# Allegro board pc051b_toplevel_177.brd (continued)
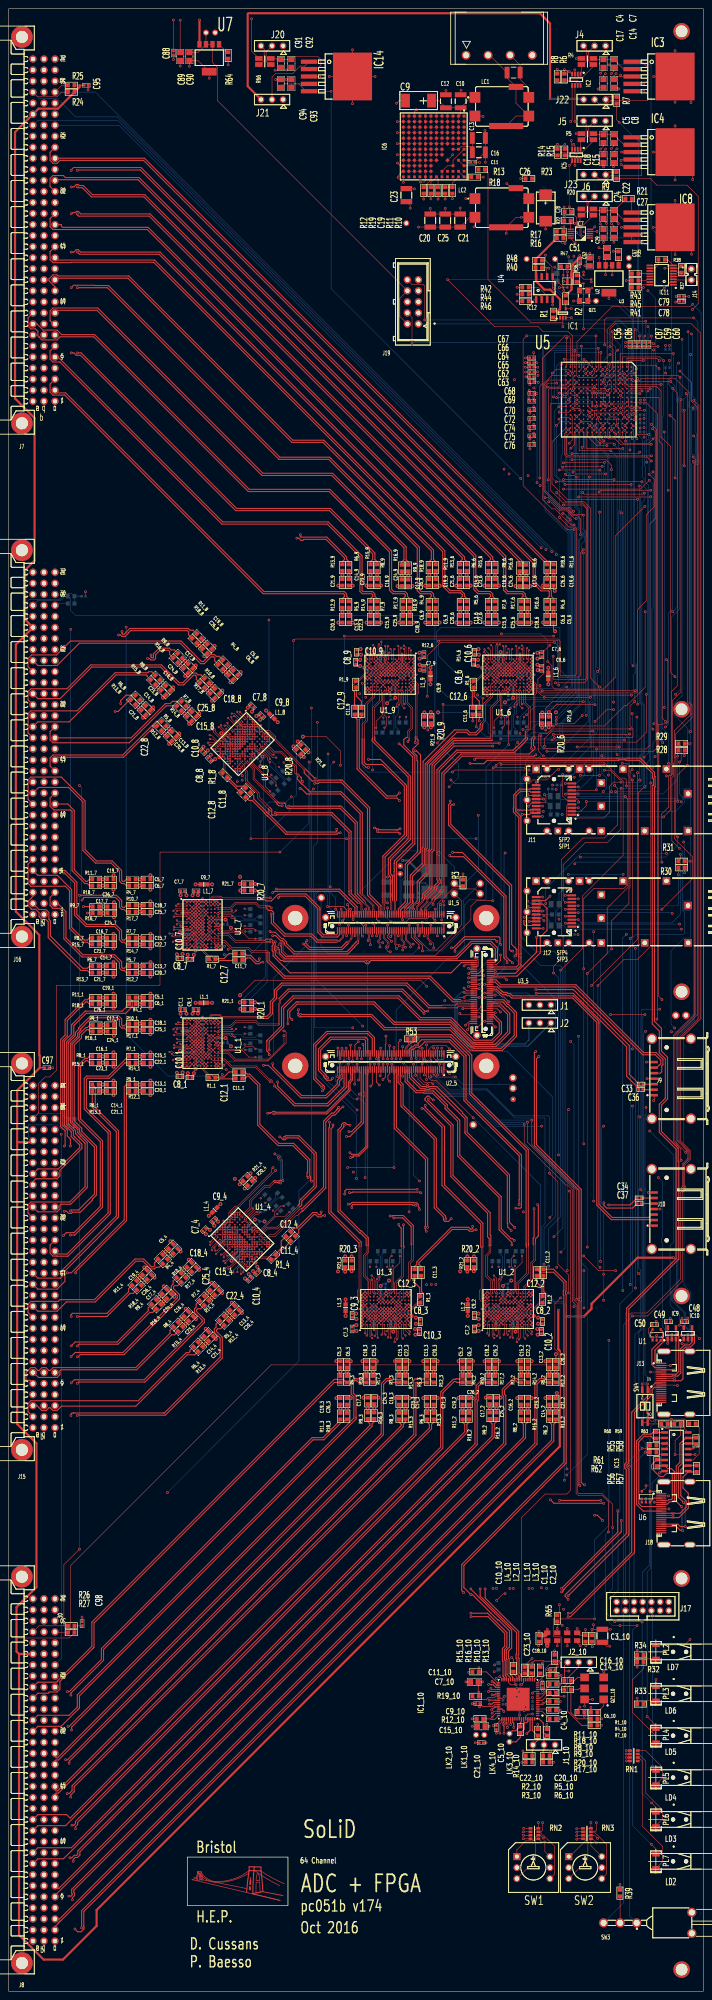
[diagram p0: board, top side]
## Routing (per net, layer and track width the routed paths; a pad name or vN(x,y) marks a point on that pad's centre or on a via; arc(x,y) is an arc through that point) (continued)
  L3 w0.13: v2(111.8,302.95) 109.8,300.95 109,300.95 108.4,300.35 108.4,298.6 109.25,297.75 v1(109.25,297.55)
  L4 w0.13: v1(132.85,373.25) 126.22,373.25 126.17,373.3 126.17,379.59 126.22,379.64 141.64,379.64 142.12,380.12 v1(155.12,380.12) ; v1(153.61,298.44) v1(146.87,298.44)
  BOTTOM w0.13: v1(153.61,298.44) 154.72,299.55 154.72,365.68 154.35,366.04 154.35,366.46 155.12,367.22 v1(155.12,380.12) ; v1(107.71,290.95) 109.96,288.7 122.4,288.7 v1(122.58,288.88)
ADC_CSA<1>: length 228.3
  TOP w0.13: v1(119.85,281.02) 102.69,281.02 v1(102.22,280.54) ; v1(147.55,347.7) 145.51,345.66 v1(127.8,345.66) ; U5.R1 129.4,380.28 128.77,380.92 128.13,380.92 122.95,375.73 122.95,369.99 122.35,369.4 v1(122.35,348.2) ; U1_9.L5 v2(84.65,302.95) ; v1(123.16,284.24) 122.09,285.31 122.09,289.18 122.29,289.38 124.01,289.38 125.11,290.47 143.09,290.47 v1(143.15,290.42)
  L3 w0.13: v1(81.45,300.95) 82.65,300.95 v2(84.65,302.95)
  L4 w0.13: v1(148.4,290.42) v1(143.15,290.42) ; v1(122.35,348.2) 124.89,345.66 v1(127.8,345.66)
  BOTTOM w0.13: v1(148.4,290.42) 148.16,290.65 148.16,318.07 148.42,318.33 148.42,346.83 v1(147.55,347.7) ; v1(123.16,284.24) 122.35,284.24 119.85,281.74 v1(119.85,281.02) ; v1(102.22,280.54) 82.73,280.54 81.45,281.82 v1(81.45,300.95)
ADC_CSA<2>: length 167.9
  TOP w0.13: U5.R4 v1(128.85,370.2) ; U1_8.L5 v2(51.59,284.74)
  L3 w0.13: v2(51.59,284.74) 51.59,281.91 51.02,281.34 51.02,280.49 52.32,279.2 53.3,279.2 v1(53.8,278.7)
  L4 w0.13: v1(117.79,289.45) 117.3,288.96 72.07,288.96 67.9,284.78 66.87,284.78 61.46,279.38 54.48,279.38 v1(53.8,278.7)
  BOTTOM w0.13: v1(128.85,370.2) 128.85,367 129.45,366.4 129.45,365.99 128.45,365 128.45,359.1 128.58,358.97 128.58,349.79 129.26,349.12 129.26,339.57 128.6,338.91 128.6,336.61 129.6,335.61 129.6,300.29 126.14,296.83 121.41,296.83 117.79,293.21 v1(117.79,289.45)
ADC_CSA<3>: length 229.6
  TOP w0.13: U5.T7 v1(126.83,367.75) ; v1(140.66,286.34) v1(130.92,286.34) ; U1_7.L5 v2(44.65,242.2)
  L3 w0.13: v1(50.55,239.75) 50,239.75 49.05,238.8 47.25,238.8 46.65,239.4 46.65,240.2 v2(44.65,242.2)
  L4 w0.13: v1(130.86,366.2) 129.3,367.75 v1(126.83,367.75) ; v1(50.55,239.75) 50.55,249.45 51.2,250.1 72.29,250.1 74.87,252.67 74.87,271.55 75.39,272.07 110.69,272.07 115.91,277.29 121.8,277.29 122.19,277.68 122.19,278.96 123.44,280.2 124.79,280.2 v1(130.92,286.34)
  BOTTOM w0.13: v1(140.66,286.34) 141,286.67 141,339.67 140.66,340.01 140.66,340.42 141.2,340.96 141.2,354.47 140.45,355.22 140.45,361.52 140.32,361.65 137.79,361.65 134.9,364.54 134.9,364.96 133.66,366.2 v1(130.86,366.2)
ADC_CSA<4>: length 306.8
  TOP w0.13: U5.R12 129.8,362.35 129.8,356.9 v1(129.1,356.2) ; U1_1.L5 v2(44.65,214.95)
  L3 w0.13: v2(44.65,214.95) 46.65,212.95 46.65,212.15 47.25,211.55 49.55,211.55 v1(50.1,212.1)
  L4 w0.13: v1(129.1,356.2) 128.86,355.96 128.86,336.14 130.32,334.68 130.32,302.07 129.7,301.45 126.65,301.45 126.2,301.9 123.64,301.9 123.41,302.13 123.41,313.77 123.28,313.9 v1(27.06,313.9)
  BOTTOM w0.13: v1(27.06,313.9) 27.06,220.26 36.72,210.6 47.72,210.6 49.22,212.1 v1(50.1,212.1)
ADC_CSA<5>: length 311.8
  TOP w0.13: v1(155.98,193.05) 153.45,195.58 153.45,219.95 158.27,224.77 158.27,352.43 v1(157.65,353.05) ; v1(148.05,353.3) 128.95,353.3 128.54,353.71 128.54,357.89 U5.R16 ; U1_4.L5 v2(56.06,170.74)
  L3 w0.13: v2(56.06,170.74) 58.89,170.74 59.46,170.17 60.31,170.17 72.4,182.26 79.16,182.26 79.4,182.5 v1(79.4,188.5)
  L4 w0.13: v1(155.98,193.05) 153.55,190.62 81.53,190.62 v1(79.4,188.5) ; v1(148.05,353.3) 157.4,353.3 v1(157.65,353.05)
ADC_CSA<6>: length 271.5
  TOP w0.13: U1_3.L5 v2(90.1,157) ; U5.M15 131.9,359.25 v1(131.9,359.2) ; v1(145.1,240.73) 145.1,275.85 v1(146.5,277.25) ; v1(132.2,344.85) 132.55,344.5 146.15,344.5 v1(146.4,344.75)
  L3 w0.13: v1(97.35,162.65) 96.5,161.8 94.2,161.8 93.5,161.1 93.5,159.6 92.9,159 92.1,159 v2(90.1,157)
  L4 w0.13: v1(97.35,162.65) 98.06,163.36 115.1,163.36 115.5,162.95 116,162.95 116.6,163.55 143.51,163.55 v1(145.1,165.14)
  BOTTOM w0.13: v1(146.4,344.75) 146.4,343.11 145.86,342.56 145.86,296.65 146.41,296.1 146.41,284.73 145.86,284.18 145.86,283.77 146.5,283.13 v1(146.5,277.25) ; v1(145.1,240.73) 145.1,201.69 144.84,201.42 144.84,165.41 v1(145.1,165.14) ; v1(132.2,344.85) 132.61,345.26 132.61,358.5 v1(131.9,359.2)
ADC_CSA<7>: length 245.7
  TOP w0.13: v1(147.9,343.9) 147.85,343.85 v1(131.3,343.85) ; v1(131.85,361.2) 133.95,361.2 U5.K14 ; U1_2.L5 v2(118.25,157) ; v1(135.72,231.42) 141.73,237.42 144.81,237.42 147.9,240.51 v1(147.9,278.06)
  L3 w0.13: v1(126.25,166.6) 126.25,165.7 121.65,161.1 121.65,159.6 121.05,159 120.25,159 v2(118.25,157)
  L4 w0.13: v1(126.25,166.6) v1(136.2,166.6)
  BOTTOM w0.13: v1(136.2,166.6) 135.72,167.08 v1(135.72,231.42) ; v1(131.85,361.2) 131.41,360.76 131.41,358.62 130.86,358.07 130.86,353.73 131.46,353.13 131.46,348.09 131.44,348.07 131.44,343.99 v1(131.3,343.85) ; v1(147.9,343.9) v1(147.9,278.06)
ADC_CSB<0>: length 136.8
  TOP w0.13: U1_6.M5 v2(111,302.95) ; U5.L2 132.92,372.27 v1(132.92,372.25) ; v1(99,310.64) 99.24,310.88 126.37,310.88 126.5,310.75 126.5,302.46 126.55,302.41 131.26,302.41 131.75,302.9 131.75,331.09 v1(132.37,331.71)
  L3 w0.13: v2(111,302.95) 110.56,303.39 108.83,303.39 108,302.56 v1(108,298.3)
  L4 w0.13: v1(132.37,331.71) 133.25,332.59 133.25,340.37 133.1,340.52 133.1,345.8 132.75,346.15 132.75,352.87 132.92,353.04 v1(132.92,372.25)
  BOTTOM w0.13: v1(99,310.64) 99,307.3 v1(108,298.3)
ADC_CSB<1>: length 219.3
  TOP w0.13: U1_9.M5 v2(83.85,302.95) ; v1(128.54,380.42) 128.54,373.89 U5.T1 ; v1(148.05,360.55) 149.18,359.42 149.18,285.97 148.55,285.34 v1(123.98,285.34)
  L3 w0.13: v1(80.85,298.6) 80.85,302.56 81.68,303.39 83.41,303.39 v2(83.85,302.95)
  L4 w0.13: v1(83.85,281.04) 114.49,281.04 118.79,285.34 v1(123.98,285.34) ; v1(128.54,380.42) 128.56,380.4 147.58,380.4 v1(148.05,380.87)
  BOTTOM w0.13: v1(83.85,281.04) v2(83.85,302.95) ; v1(148.05,380.87) 148.05,374.01 148.25,373.81 148.25,360.76 v1(148.05,360.55)
ADC_CSB<2>: length 181.8
  TOP w0.13: v1(124.05,369.15) 124.08,369.12 128,369.12 128.03,369.15 128.8,369.15 U5.R5 ; v1(130.72,338.91) 130.31,338.91 128.56,340.65 126.9,340.65 124.8,342.75 v1(124.4,342.75) ; U1_8.M5 v2(51.02,284.17)
  L3 w0.13: v2(51.02,284.17) 50.39,284.17 49.17,282.95 49.17,281.78 52.6,278.35 v1(52.65,278.35)
  L4 w0.13: v1(115.51,295.25) 93.55,295.25 91.99,293.69 62.45,293.69 59.21,290.45 59.21,289.06 59.38,288.88 59.38,281.47 58.16,280.25 53.56,280.25 52.65,279.34 v1(52.65,278.35) ; v1(128.55,300.12) 130.17,300.12 131.55,301.5 131.55,329.99 131.09,330.45 131.09,332.24 131.32,332.46 131.32,334.88 131.2,334.99 131.2,338.43 v1(130.72,338.91)
  BOTTOM w0.13: v1(128.55,300.12) 128.07,300.12 125.21,297.25 117.51,297.25 v1(115.51,295.25) ; v1(124.4,342.75) 124.4,347 123.8,347.59 123.8,368.9 v1(124.05,369.15)
ADC_CSB<3>: length 260.2
  TOP w0.13: v1(127.79,341.99) 132.3,341.99 133.04,341.24 133.04,302.05 132.83,301.84 125.61,301.84 125.4,302.05 v1(125.4,307.22) ; v1(126.2,366.7) 128.35,366.7 U5.T8 ; U1_7.M5 v2(44.65,241.4)
  L3 w0.13: v1(49.7,238.55) 49.55,238.4 45.03,238.4 44.2,239.23 44.2,240.96 v2(44.65,241.4)
  L4 w0.13: v1(59.94,315.55) 123.7,315.55 123.96,315.29 123.96,308.66 v1(125.4,307.22) ; v1(127.79,341.99) 126.16,341.99 121.2,346.94 121.2,355.58 122.69,357.07 122.69,365.67 125.15,368.13 125.25,368.13 126.2,367.18 v1(126.2,366.7)
  BOTTOM w0.13: v1(49.7,238.55) 55.7,238.55 58.77,241.62 58.77,283.5 59.1,283.83 59.1,284.37 58.5,284.97 58.5,288.88 59.94,290.32 v1(59.94,315.55)
ADC_CSB<4>: length 239
  TOP w0.13: v1(136.2,350.05) v1(126.8,350.05) ; U1_1.M5 v2(44.65,214.15) ; v1(126.75,361.75) 127.15,362.15 129,362.15 U5.R13
  L3 w0.13: v1(49.2,210.95) 49,211.15 45.03,211.15 44.2,211.98 44.2,213.71 v2(44.65,214.15)
  L4 w0.13: v1(126.75,361.75) 126.8,361.7 v1(126.8,350.05) ; v2(44.65,214.15) 55.14,214.15 58.38,217.4 58.38,224.18 78.31,244.11 101.96,244.11 106.58,248.73 106.58,255.72 108.61,257.75 129.8,257.75 132.34,260.29 132.34,277.74 136.61,282.01 v1(136.61,284.31)
  BOTTOM w0.13: v1(136.2,350.05) 136.61,349.64 v1(136.61,284.31)
ADC_CSB<5>: length 267.6
  TOP w0.13: v1(129.5,355.1) 130.4,356 U5.P16 ; U1_4.M5 v2(56.63,170.17)
  L3 w0.13: v2(56.63,170.17) 56.63,169.54 57.85,168.32 59.02,168.32 72.55,181.85 79.35,181.85 79.85,182.35 79.85,186.8 v1(80.1,187.05)
  L4 w0.13: v1(119.29,293.73) 113.32,293.73 112.69,293.11 94.11,293.11 92.98,291.97 v1(71.1,291.97)
  BOTTOM w0.13: v1(119.29,293.73) 121.27,295.71 125.77,295.71 129.9,299.84 129.9,335.68 129.49,336.09 129.49,337.09 129.47,337.11 129.47,337.99 129.36,338.1 129.15,338.1 128.86,338.39 128.86,338.81 129.15,339.1 129.52,339.1 129.52,339.1 129.52,349.22 129.25,349.49 129.25,354.85 v1(129.5,355.1) ; v1(71.1,291.97) 71.1,264.37 70.15,263.42 70.15,211.75 80.1,201.8 v1(80.1,187.05)
ADC_CSB<6>: length 264.7
  TOP w0.13: v1(143.18,242.25) 143.65,242.72 v1(143.65,278.75) ; U5.L15 133,359.35 133,355.13 133.13,355 v1(141.45,355) ; U1_3.M5 v2(90.9,157)
  L3 w0.13: v2(90.9,157) 91.34,156.56 93.07,156.56 93.9,157.38 93.9,161.1 94.3,161.5 97.25,161.5 v1(98.4,162.65)
  L4 w0.13: v1(143.18,162.65) 114.35,162.65 114.1,162.9 98.65,162.9 v1(98.4,162.65)
  BOTTOM w0.13: v1(143.65,278.75) 142.66,279.74 142.66,288.39 141.69,289.36 141.69,354.76 v1(141.45,355) ; v1(143.18,242.25) v1(143.18,162.65)
ADC_CSB<7>: length 228
  TOP w0.13: v1(134.9,360.2) 135.4,360.7 U5.J14 ; U1_2.M5 v2(119.05,157)
  L3 w0.13: v2(119.05,157) 119.5,156.56 121.22,156.56 122.05,157.38 122.05,161.1 122.5,161.55 125.15,161.55 127.2,163.6 v1(127.2,170.1)
  L4 w0.13: v1(134.9,360.2) 135.35,359.81 135.35,359.04 133.77,357.46 v1(133.77,348.45)
  BOTTOM w0.13: v1(127.2,170.1) 128.15,171.05 128.15,236.73 125.59,239.3 121.42,239.3 117.8,242.91 117.8,271.01 118.25,271.46 118.25,279.35 119.05,280.15 122.51,280.15 122.71,280.35 122.71,281.45 133.53,292.26 133.53,297.52 133.5,297.54 133.5,348.19 v1(133.77,348.45)
ADC_SCK<0>: length 136.9
  TOP w0.13: U5.J1 135.26,373.89 v1(135.26,380.92) ; U1_6.L6 v2(112.6,302.15) ; v1(130.25,336.4) 128.55,336.4 118.5,346.45 118.5,380.12 v1(119.3,380.92)
  L3 w0.13: 120.7,298.85 119.1,300.45 119.1,302.05 118.2,302.95 117.4,302.95 116.6,302.15 v2(112.6,302.15)
  L3 w0.25: v3(126.05,294.3) 126.01,294.3 121.46,298.85 120.7,298.85
  BOTTOM w0.13: v3(126.05,294.3) 130.6,298.85 130.6,336.05 v1(130.25,336.4) ; v1(135.26,380.92) v1(119.3,380.92)
ADC_SCK<1>: length 180.5
  TOP w0.13: v1(146.6,317.45) 146.6,300.05 142.38,295.83 141.88,295.83 137.21,291.16 v1(125.41,291.16) ; v1(132.51,375.48) 132.51,373.86 U5.M1 ; U1_9.L6 v2(85.45,302.15)
  L3 w0.13: v2(85.45,302.15) 89.45,302.15 90.25,302.95 91.05,302.95 91.95,302.05 91.95,300.45 93.55,298.85
  L3 w0.25: 93.55,298.85 94.35,298.85 v3(98.9,294.3)
  L4 w0.13: v1(132.51,375.48) 142.76,375.48 143.59,374.64 v1(154.3,374.64) ; v1(152.95,317.45) v1(146.6,317.45)
  BOTTOM w0.13: v3(98.9,294.3) 107.77,294.3 110.44,291.62 110.44,289.62 111.11,288.96 119.83,288.96 120.59,289.72 124.69,289.72 125.41,290.44 v1(125.41,291.16) ; v1(154.3,374.64) 153.84,374.18 153.84,365.83 154,365.67 154,318.5 v1(152.95,317.45)
ADC_SCK<2>: length 225.9
  TOP w0.13: v1(126.1,347.35) v1(145.85,347.35) ; U5.R2 128.9,373.25 126.15,373.25 v1(125.25,372.35) ; v1(76.41,282.11) 76.41,285.4 73.12,288.7 v3(67.78,288.7) ; U1_8.L6 v2(52.72,284.74) ; v1(112.26,282.05) 113.05,282.85 137.07,282.85 140.77,279.15 141.9,279.15 142.25,278.8 v1(142.25,277.35)
  L3 w0.13: 60.78,288.13 58.52,288.13 57.39,289.26 56.11,289.26 55.55,288.7 55.55,287.57 v2(52.72,284.74)
  L3 w0.25: v3(67.78,288.7) 61.35,288.7 60.78,288.13
  L4 w0.13: v1(112.26,282.05) 94.51,282.05 94.46,282.11 v1(76.41,282.11)
  BOTTOM w0.13: v1(145.85,347.35) 145.85,344.14 145.6,343.89 145.6,296.55 146.15,295.99 146.15,284.84 145.6,284.29 145.6,283.66 146.15,283.11 146.15,277.9 145.6,277.35 v1(142.25,277.35) ; v1(126.1,347.35) 124.96,348.49 124.96,372.06 v1(125.25,372.35)
ADC_SCK<3>: length 203.4
  TOP w0.13: U1_7.L6 v2(45.45,243) ; U5.T5 128.26,369.61 v1(127.51,369.61)
  L3 w0.13: 48.75,251.1 47.15,249.5 45.55,249.5 44.65,248.6 44.65,247.8 45.45,247 v2(45.45,243)
  L3 w0.25: v3(53.3,256.45) 48.75,251.9 48.75,251.1
  L4 w0.13: v3(53.3,256.45) 53.3,270.15 63.2,280.05 114.72,280.05 118.23,283.57 123.28,283.57 124.47,284.76 124.47,286.49 126.64,288.65 126.64,290.84 131.87,296.07 131.87,296.96 132.8,297.88 132.8,329.84 131.87,330.77 131.87,331.92 132.86,332.91 132.86,340.39 132.8,340.45 132.8,345.7 132.49,346.01 132.49,352.98 132.66,353.15 132.66,366.45 129.49,369.61 v1(127.51,369.61)
ADC_SCK<4>: length 243.3
  TOP w0.13: v3(53.3,229.2) 56.75,232.65 94.9,232.65 v1(96.3,231.25) ; v1(127.79,351.7) 127.89,351.8 v1(137.25,351.8) ; U5.R8 128.95,366.3 v1(128.95,366.2) ; U1_1.L6 v2(45.45,215.75)
  L3 w0.13: v2(45.45,215.75) 45.45,219.75 44.65,220.55 44.65,221.35 45.55,222.25 47.15,222.25 48.75,223.85
  L3 w0.25: v3(53.3,229.2) 48.75,224.65 48.75,223.85
  L4 w0.13: v1(96.3,231.25) 106.15,241.1 112.66,241.1 113.15,241.6 122.13,241.6 123.1,242.58 134.31,242.58 135.25,243.51 135.25,274.35 v1(136.95,276.05) ; v1(128.95,366.2) 127.79,365.04 v1(127.79,351.7)
  BOTTOM w0.13: v1(136.95,276.05) 137.75,276.85 137.75,279.15 136.61,280.29 136.61,283.6 137.11,284.1 137.11,284.51 136.98,284.64 136.98,349.57 137.25,349.83 v1(137.25,351.8)
ADC_SCK<5>: length 325
  TOP w0.13: U5.R14 129,361.15 127,361.15 v1(126.15,360.3) ; v1(128.15,346.75) v1(143.35,346.75) ; U1_4.L6 v2(56.06,171.87)
  L3 w0.13: v2(56.06,171.87) 53.23,174.7 52.1,174.7 51.54,175.26 51.54,176.54 52.67,177.67 52.67,179.93
  L3 w0.25: v3(52.1,186.93) 52.1,180.5 52.67,179.93
  L4 w0.13: v3(52.1,186.93) 58.57,193.4 63.15,193.4 64.2,192.35 78.96,192.35 79.4,191.9 153.8,191.9 154.3,192.4 154.3,218.95 158.5,223.15 158.5,298.3 151.8,305 v1(143.8,305)
  BOTTOM w0.13: v1(128.15,346.75) 126.15,348.75 v1(126.15,360.3) ; v1(143.8,305) 143.35,305.45 v1(143.35,346.75)
ADC_SCK<6>: length 278.9
  TOP w0.13: v1(130.86,359.2) 130.86,359.29 U5.P15 ; U1_3.L6 v2(89.3,157.8)
  L3 w0.13: v2(89.3,157.8) 85.3,157.8 84.5,157 83.7,157 82.8,157.9 82.8,159.5 81.2,161.1
  L3 w0.25: 81.2,161.1 80.4,161.1 v3(75.85,165.65)
  L4 w0.13: v3(75.85,165.65) 75.85,168.65 80.83,173.63 v1(125.59,173.63)
  BOTTOM w0.13: v1(130.86,359.2) 130.6,358.94 130.6,349.2 131.2,348.61 131.2,348.19 130.8,347.8 130.8,341.7 131.48,341.02 131.48,336.49 132.46,335.51 132.46,334.89 131.52,333.95 131.52,296.22 126.97,291.67 126.97,288.67 125.55,287.25 118.88,287.25 117.81,286.19 117.81,271.58 117.54,271.32 117.54,241.03 122.6,235.98 127.03,235.98 127.66,235.35 127.66,175.7 v1(125.59,173.63)
ADC_SCK<7>: length 249.8
  TOP w0.13: v1(137.81,355.72) 135.43,355.72 133.4,357.75 U5.L16 ; v1(141.34,282.56) 142.36,282.56 142.86,282.06 142.86,254.24 137.86,249.24 137.86,238.81 v1(133.26,234.21) ; U1_2.L6 v2(117.45,157.8)
  L3 w0.13: 109.35,161.1 110.95,159.5 110.95,157.9 111.85,157 112.65,157 113.45,157.8 v2(117.45,157.8)
  L3 w0.25: v3(104,165.65) 108.55,161.1 109.35,161.1
  L4 w0.13: v1(141.16,340.21) 141.16,352.94 138.38,355.72 v1(137.81,355.72) ; v1(133.26,171.25) 106.8,171.25 104,168.45 v3(104,165.65)
  BOTTOM w0.13: v1(133.26,171.25) v1(133.26,234.21) ; v1(141.16,340.21) 141.34,340.03 v1(141.34,282.56)
ADC_SDI<0>: length 170.2
  TOP w0.13: U1_6.M6 v2(111.8,302.15) ; U5.J2 135.8,373.15 v1(135.8,378.06)
  L3 w0.13: v2(111.8,302.15) 110.1,300.45 109.47,300.45 108.8,299.78 108.8,298.75 109.45,298.1 v1(110.2,298.1)
  BOTTOM w0.13: v1(110.2,298.1) 108.9,298.1 108.6,297.8 101.12,297.8 98.5,300.42 98.5,312.79 99.58,313.87 126.9,313.87 126.95,313.82 126.95,304.1 128.85,302.2 128.85,335.45 123.53,340.77 123.53,342.96 123.03,343.47 123.03,343.88 123.16,344.01 123.16,377.93 123.29,378.06 v1(135.8,378.06)
ADC_SDI<1>: length 162.4
  TOP w0.13: U1_9.M6 v2(84.65,302.15) ; v1(130.1,340.55) 129.21,341.44 127.45,341.44 123.55,345.35 123.55,369.36 124.23,370.04 v1(126.25,370.04) ; v1(125.7,310.38) 99.5,310.38 96.4,307.28 v1(96.4,297.99) ; U5.N1 v1(131.4,374.9)
  L3 w0.13: v1(82.25,297.75) 81.65,298.35 81.65,299.78 82.32,300.45 82.95,300.45 v2(84.65,302.15)
  L4 w0.13: v1(96.4,297.99) 96.14,298.25 88.8,298.25 88.3,297.75 v1(82.25,297.75) ; v1(126.67,300.56) 126.86,300.75 130.2,300.75 131.2,301.75 131.2,329.97 130.84,330.34 130.84,331.29 130.84,331.93 130.84,331.93 130.84,332.34 131.06,332.57 131.06,334.77 130.94,334.89 130.94,334.95 129.71,336.19 129.71,337.88 130.12,338.29 130.12,340.53 v1(130.1,340.55)
  BOTTOM w0.13: v1(125.7,310.38) 126.67,309.41 v1(126.67,300.56) ; v1(131.4,374.9) 127.15,374.9 126.25,374 v1(126.25,370.04)
ADC_SDI<2>: length 226.2
  TOP w0.13: U5.R3 129.35,371.75 v1(128.85,372.25) ; v1(136.09,300.12) 134,302.21 134,341.25 132.45,342.8 128.3,342.8 v1(126.25,344.85) ; v1(136.09,279.79) v1(131.68,279.79) ; v1(77.81,265.21) v1(55.79,265.21) ; U1_8.M6 v2(52.15,284.17)
  L3 w0.13: v1(53.8,279.75) 52.47,279.75 52.25,279.97 52.11,279.97 51.71,280.37 51.71,281.32 52.15,281.77 v2(52.15,284.17)
  L4 w0.13: v1(128.85,372.25) 128.44,371.84 v1(121.91,371.84) ; v1(107.66,265.21) 129.66,265.21 130.31,265.86 130.31,278.42 v1(131.68,279.79) ; v1(126.25,344.85) 125.05,344.85 122.75,347.15 v1(121.7,347.15)
  BOTTOM w0.13: v1(53.8,279.75) 55.79,277.76 v1(55.79,265.21) ; v1(121.7,347.15) 121.7,366.85 121.1,367.44 121.1,368.4 121.45,368.74 121.45,371.38 v1(121.91,371.84) ; v1(107.66,265.21) v1(77.81,265.21) ; v1(136.09,300.12) v1(136.09,279.79)
ADC_SDI<3>: length 232.5
  TOP w0.13: v1(124.3,347.8) 124.3,368.52 124.53,368.75 U5.T6 ; U1_7.M6 v2(45.45,242.2) ; v1(139.45,347.85) v1(127.8,347.85)
  L3 w0.13: v2(45.45,242.2) 47.15,240.5 47.15,239.87 47.82,239.2 48.8,239.2 49.7,240.1 v1(49.7,240.45)
  L4 w0.13: v1(49.7,240.45) 49.7,246 49.35,246.35 49.35,253.49 51.52,255.66 56.98,255.66 76.08,274.76 100.37,274.76 105.19,279.57 115.46,279.57 119.02,283.13 123.3,283.13 125.02,284.85 125.02,286.58 131.13,292.68 144.89,292.68 145.2,292.99 145.2,293.41 141.96,296.64 v1(139.33,296.64) ; v1(127.8,347.85) 124.35,347.85 v1(124.3,347.8)
  BOTTOM w0.13: v1(139.45,347.85) 139.33,347.73 v1(139.33,296.64)
ADC_SDI<4>: length 245.4
  TOP w0.13: U1_1.M6 v2(45.45,214.95) ; U5.R9 129,365.35 124.92,365.35 124.87,365.3 124.87,345.33 127.71,342.49 132.16,342.49 133.3,341.35 133.3,301.79 132.59,301.08 v1(125.95,301.08)
  L3 w0.13: v2(45.45,214.95) 47.15,213.25 47.15,212.62 47.82,211.95 49.05,211.95 49.55,212.45 v1(49.55,213.1)
  L4 w0.13: v1(125.95,301.08) 125.95,298.3 124.7,297.05 115.95,297.05 115.81,297.2 113,297.2 112.6,296.79 88.64,296.79 87.15,295.31 v1(69.7,295.31)
  BOTTOM w0.13: v1(69.7,295.31) 69.7,282.66 69.4,282.36 69.4,241.53 61.01,233.14 61.01,215.41 59.55,213.95 50.4,213.95 v1(49.55,213.1)
ADC_SDI<5>: length 247.5
  TOP w0.13: U1_4.M6 v2(56.63,171.3) ; U5.R15 v1(128.95,359.3) ; v1(115.17,294.26) v1(115.17,286.87) ; v1(88.75,189.55) v1(78.05,189.55)
  L3 w0.13: v1(78.05,189.55) 78.05,185.95 79.05,184.95 79.05,182.98 79,182.93 76.62,182.93 75.95,183.6 72.25,183.6 61.03,172.38 61.03,171.69 60.94,171.6 60.94,171.38 60.43,170.86 59.48,170.86 59.03,171.3 v2(56.63,171.3)
  L4 w0.13: v1(115.17,294.26) 119.86,294.26 121.39,295.79 129.39,295.79 132.21,298.61 132.21,330.06 131.61,330.66 131.61,332.02 132.25,332.66 132.25,338.72 131.61,339.36 131.61,339.79 130,341.4 v1(130,349.55)
  BOTTOM w0.13: v1(115.17,286.87) 109.95,281.64 109.95,251.45 109.69,251.2 106.22,251.2 105.06,250.04 105.06,240.62 101.92,237.48 100.92,237.48 89.25,225.81 89.25,215.8 88.75,215.3 v1(88.75,189.55) ; v1(130,349.55) 130.25,349.8 130.25,358 v1(128.95,359.3)
ADC_SDI<6>: length 247.8
  TOP w0.13: U1_3.M6 v2(90.1,157.8) ; U5.N15 131.4,359.76 v1(130.91,360.25)
  L3 w0.13: v2(90.1,157.8) 91.8,159.5 92.43,159.5 93.1,160.17 93.1,161.95 93.75,162.6 v1(96.25,162.6)
  L4 w0.13: v1(130.91,360.25) 131.35,359.8 131.35,349.05 v1(130.7,348.4) ; v1(123.31,167.29) 107.8,167.29 106.44,165.93 106.44,165.5 105.64,164.7 98.35,164.7 v1(96.25,162.6) ; v1(126.11,292.39) 122.28,292.39 v1(117.25,287.37)
  BOTTOM w0.13: v1(117.25,287.37) 116.75,286.86 116.75,238.95 116.25,238.46 116.25,238.04 125.89,228.41 125.89,178.14 123.31,175.56 v1(123.31,167.29) ; v1(130.7,348.4) 130.45,348.15 130.45,341.46 131.22,340.69 131.22,336.38 132.2,335.41 132.2,334.99 131.26,334.06 131.26,297.88 131.05,297.66 131.05,297.33 v1(126.11,292.39)
ADC_SDI<7>: length 216.2
  TOP w0.13: U5.K16 134.4,358.02 v1(136.2,356.21) ; U1_2.M6 v2(118.25,157.8) ; v1(127.16,234.96) 132.2,240 132.2,252.07 141.53,261.4 141.53,278.49 141.23,278.79 140.72,278.79 138.54,280.97 v1(137.2,280.97)
  L3 w0.13: v1(124.4,166.85) 121.39,163.84 121.39,161.06 121.15,160.82 121.15,160.07 120.58,159.5 119.95,159.5 v2(118.25,157.8)
  BOTTOM w0.13: v1(124.4,166.85) 124.4,175.51 127.16,178.27 v1(127.16,234.96) ; v1(136.2,356.21) 136.2,354.95 138,353.15 138,281.77 v1(137.2,280.97)
ADC_SDOA<0>: length 105.8
  TOP w0.13: U1_6.E6 v2(117.4,302.15) ; v1(133.65,374.38) 133.76,374.38 U5.K1
  TOP w0.25: v3(122.9,294.25) R20_6.1
  L3 w0.13: v2(117.4,302.15) 118.1,301.45 118.1,299.65 119.51,298.25 119.7,298.25 120.3,297.65
  L3 w0.25: 120.3,297.65 122.9,295.05 v3(122.9,294.25)
  BOTTOM w0.13: v1(133.65,374.38) 128.45,374.38 128.2,374.13 128.2,358.99 128.32,358.86 128.32,349.68 129,349.01 129,339.68 128.35,339.02 128.35,336.5 129.3,335.55 129.3,301.9 127.15,299.75 121.22,299.75 120.78,299.31 120.24,299.31 v2(117.4,302.15)
ADC_SDOA<1>: length 153.6
  TOP w0.13: v1(96.56,290.22) 96.56,293.44 v3(95.75,294.25) ; U5.N2 131.9,373.25 v1(131.9,378.56) ; v1(129.36,338.6) 127.91,340.05 v1(127.65,340.05) ; U1_9.E6 v2(90.25,302.15)
  TOP w0.25: v3(95.75,294.25) R20_9.1
  L3 w0.13: v2(90.25,302.15) 90.95,301.45 90.95,299.65 92.36,298.25 92.56,298.25 93.15,297.65
  L3 w0.25: 93.15,297.65 95.75,295.05 v3(95.75,294.25)
  L4 w0.13: v1(122.4,346.45) 126.25,342.6 127.88,342.6 128.28,342.2 128.28,340.68 v1(127.65,340.05) ; v1(96.56,290.22) 115.44,290.22 116.19,290.98 v1(119.22,290.98)
  BOTTOM w0.13: v1(122.4,346.45) 122.9,346.95 122.9,378.43 123.03,378.56 v1(131.9,378.56) ; v1(119.22,290.98) 120.42,292.17 122.45,292.17 123.65,293.37 123.65,294.57 124.28,295.2 125.97,295.2 130.3,299.53 130.3,335.65 129.75,336.19 129.75,337.2 129.73,337.22 129.73,337.63 129.75,337.65 129.75,338.21 v1(129.36,338.6)
ADC_SDOA<2>: length 165.2
  TOP w0.13: U1_8.E6 v2(56.11,288.13) ; U5.T3 125.07,371.75 123.03,369.71 123.03,343.22 125.15,341.1 125.85,341.1 129.52,337.43 v1(130.23,337.43)
  TOP w0.25: v3(65.59,286.43) R20_8.1
  L3 w0.13: 61.35,287 60.5,287 60.36,286.86 58.37,286.86 57.1,288.13 v2(56.11,288.13)
  L3 w0.25: v3(65.59,286.43) 65.02,287 61.35,287
  L4 w0.13: v1(126.14,293.13) 121.05,293.13 119.4,291.47 68.63,291.47 65.59,288.43 v3(65.59,286.43)
  BOTTOM w0.13: v1(126.14,293.13) 130.91,297.89 130.91,336.74 v1(130.23,337.43)
ADC_SDOA<3>: length 216.3
  TOP w0.13: v1(136.7,350.9) 127.8,350.9 v1(127.6,350.7) ; v1(134.54,289.98) 125.15,289.98 123.41,288.24 v1(123.41,286.5) ; v1(127.57,367.25) 128.5,367.25 128.8,367.55 128.8,368.15 U5.R6 ; U1_7.E6 v2(45.45,247.8) ; v1(136.1,340.37) 136.1,304.15 v1(135.65,303.7)
  TOP w0.25: v3(53.35,253.3) R20_7.1
  L3 w0.13: 49.95,250.7 49.35,250.1 49.35,249.91 47.95,248.5 46.15,248.5 v2(45.45,247.8)
  L3 w0.25: v3(53.35,253.3) 52.55,253.3 49.95,250.7
  L4 w0.13: v3(53.35,253.3) 54.21,254.16 v1(74.06,254.16) ; v1(136.1,340.37) 136.7,340.97 v1(136.7,350.9) ; v1(74.89,282.85) 105.84,282.85 106.04,283.05 106.46,283.05 106.66,282.85 115.23,282.85 118.88,286.5 v1(123.41,286.5)
  BOTTOM w0.13: v1(74.89,282.85) 74.06,282.01 v1(74.06,254.16) ; v1(127.6,350.7) 127.25,351.05 127.25,353.35 127.57,353.67 v1(127.57,367.25) ; v1(134.54,289.98) 134.54,296.29 135.25,297 135.25,303.3 v1(135.65,303.7)
ADC_SDOA<4>: length 242.2
  TOP w0.13: v1(126.85,339.15) 129.07,336.93 130.42,336.93 130.75,336.61 130.75,303.1 130.45,302.8 127.07,302.8 127.02,302.85 127.02,310.67 126.52,311.17 65.97,311.17 v1(65.59,310.78) ; U5.T10 128.26,364.61 v1(126.71,364.61) ; U1_1.E6 v2(45.45,220.55)
  TOP w0.25: v3(53.35,226.05) R20_1.1
  L3 w0.13: 49.95,223.45 49.35,222.85 49.35,222.66 47.95,221.25 46.15,221.25 v2(45.45,220.55)
  L3 w0.25: v3(53.35,226.05) 52.55,226.05 49.95,223.45
  BOTTOM w0.13: v1(65.59,310.78) 65.59,287.35 66.24,286.7 66.24,275.28 65.59,274.64 65.59,272.57 59.5,266.48 59.5,232.2 v3(53.35,226.05) ; v1(126.85,339.15) 126.85,347.68 125.65,348.88 125.65,363.55 v1(126.71,364.61)
ADC_SDOA<5>: length 310.8
  TOP w0.13: v1(144.84,343.3) 128.7,343.3 125.15,346.85 125.15,356.5 U5.T15 ; U1_4.E6 v2(52.67,175.26)
  TOP w0.25: v3(54.37,184.74) R20_4.1
  L3 w0.13: v2(52.67,175.26) 52.67,176.25 53.94,177.52 53.94,179.51 53.8,179.65 53.8,180.5
  L3 w0.25: v3(54.37,184.74) 53.8,184.17 53.8,180.5
  L4 w0.13: v1(145.6,184.42) 143.83,182.65 73.7,182.65 71.61,184.74 v3(54.37,184.74) ; v1(149.96,225.97) 149.96,282 152.08,284.13 152.08,295.24 151.15,296.18 v1(144.9,296.18)
  BOTTOM w0.13: v1(144.84,343.3) 144.84,296.23 v1(144.9,296.18) ; v1(149.96,225.97) 145.92,225.97 145.83,225.88 145.83,224.4 145.64,224.21 145.64,201.61 145.83,201.42 145.83,201.01 145.64,200.82 145.64,184.47 v1(145.6,184.42)
